# KiCad board oresat-live-card.kicad_pcb
title: OreSat Live Card; date: 2025-09-16; rev: 2.1; company: Portland State Aerospace Society
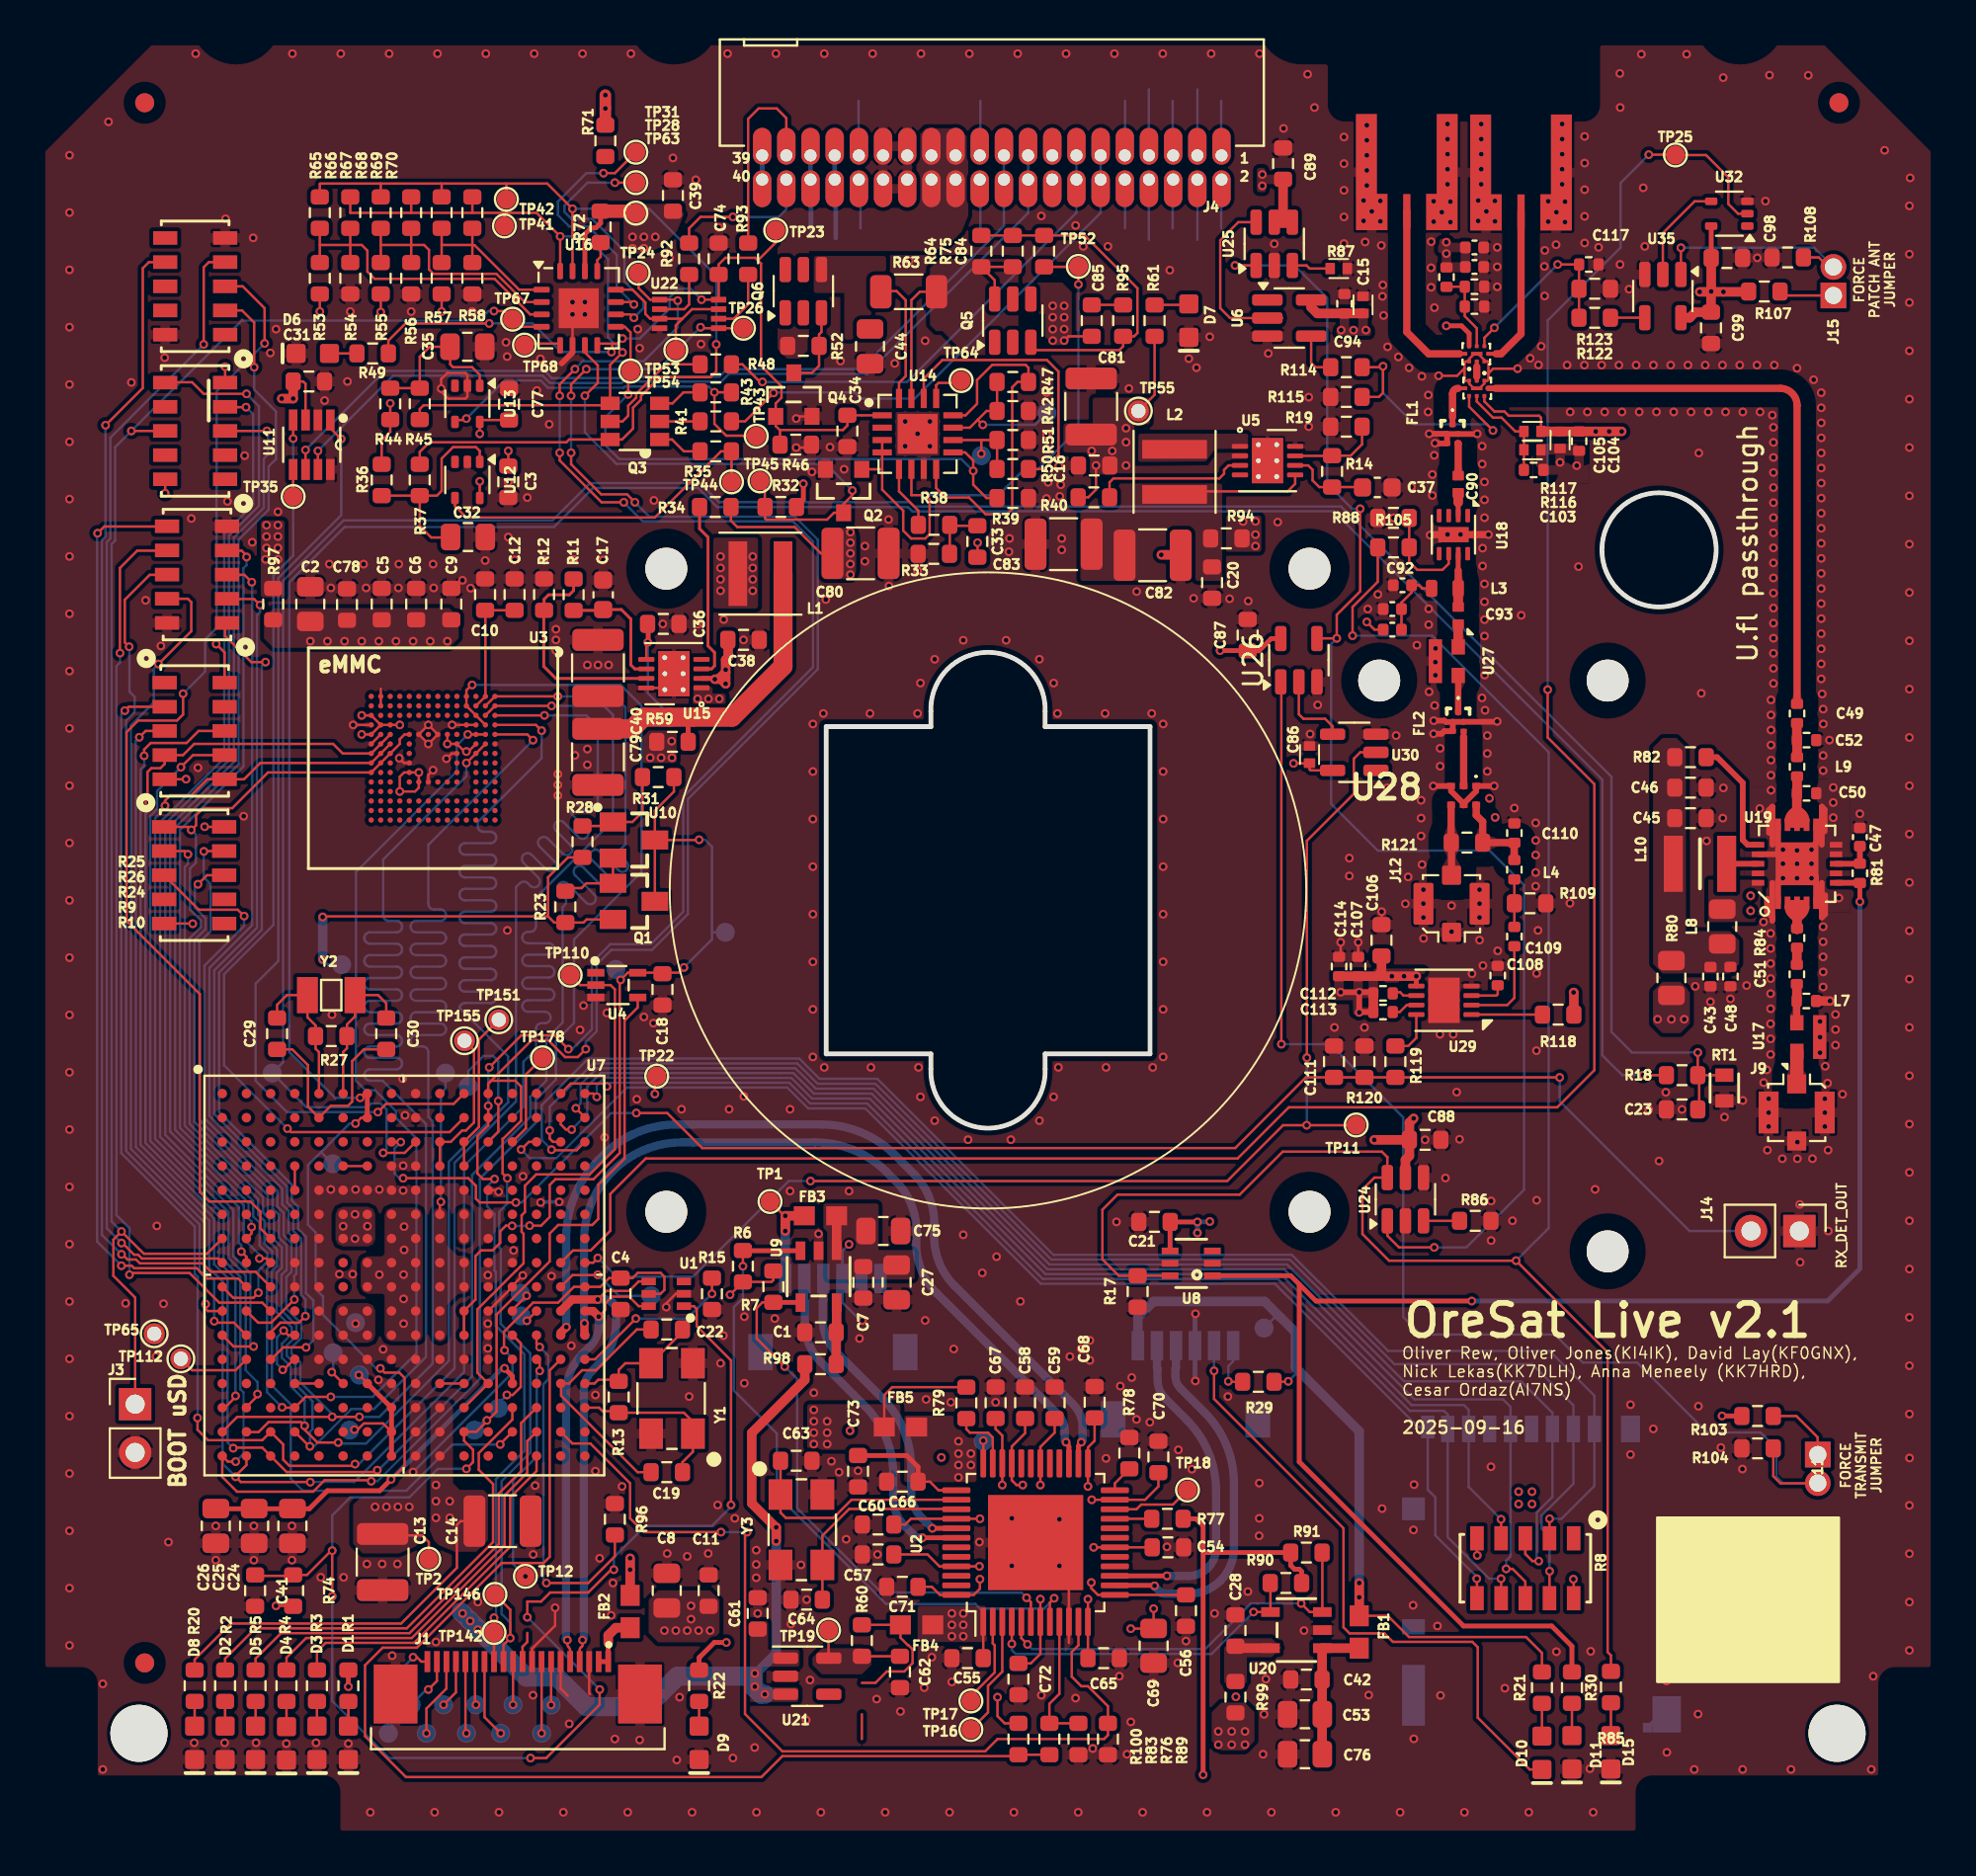
[diagram p0: board, top side]
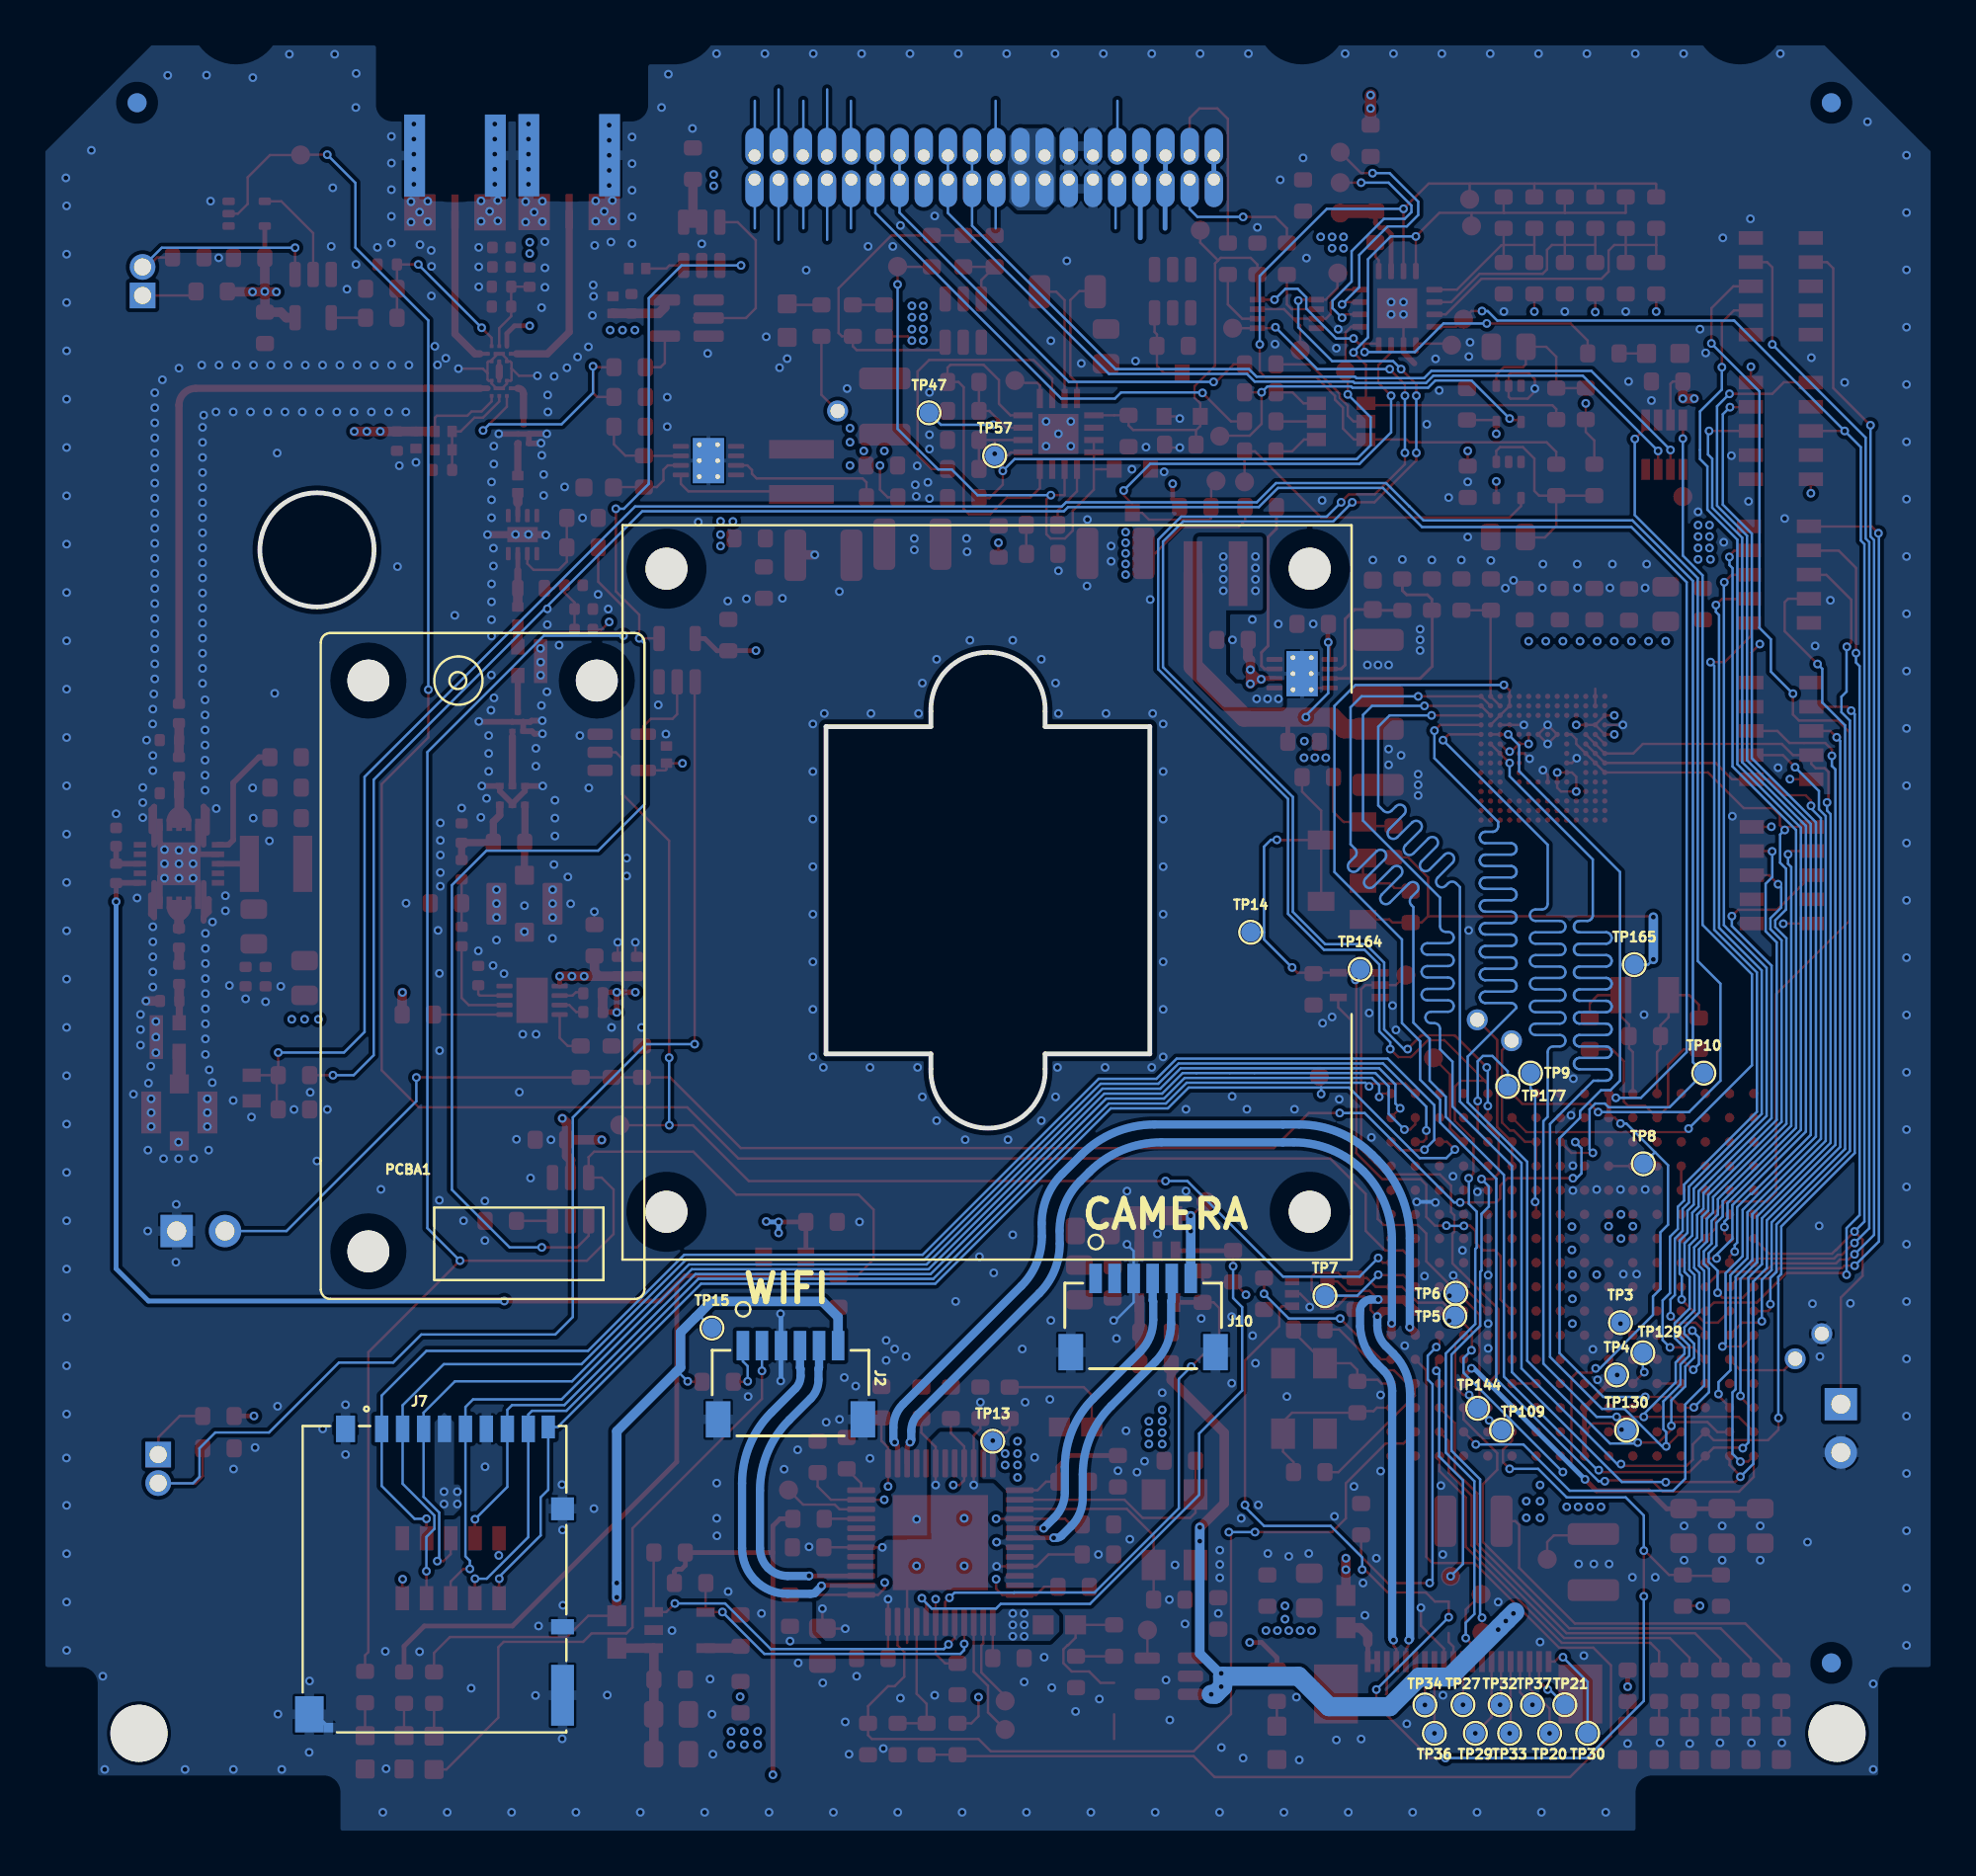
[diagram p1: board, bottom side, seen from below]

Outline 99.8 x 94.6 mm; copper layers: Top, In1.Cu, In2.Cu, Bottom. Coordinates in mm from the lower left corner of the outline.
Outline path: circle c85.15,67.7 r3 ; 41.4,58.41 46.9,58.41 46.9,59.2 arc(49.9,62.31) 52.9,59.2 52.9,58.41 58.41,58.41 58.41,41.21 52.9,41.21 52.9,40.42 arc(49.9,37.31) 46.9,40.42 46.9,41.21 41.4,41.21 41.4,58.41
Stack: Top 0.0432mm / dielectric 0.2021mm FR408-HR er 3.69 / In1.Cu 0.0175mm / dielectric 1.1938mm FR408-HR er 3.69 / In2.Cu 0.0175mm / dielectric 0.2021mm FR408-HR er 3.69 / Bottom 0.0432mm

## Placement (name value [footprint] x y rotation side)
C1  100n  [R_0603_1608Metric]  41.1 26.57 180 top
C2  10u  [R_0805_2012Metric]  14.3 64.85 90 top
C3  100n  [R_0603_1608Metric]  24.7 71.28 270 top
C4  100n  [R_0603_1608Metric]  30.6 28.6 270 top
C5  1u  [R_0603_1608Metric]  18.05 64.85 90 top
C6  1u  [R_0603_1608Metric]  19.86 64.85 90 top
C7  100n  [R_0603_1608Metric]  43.35 29.2 270 top
C8  10u  [R_0805_2012Metric]  33.03 13 90 top
C9  1u  [R_0603_1608Metric]  21.71 64.85 90 top
C10  1u  [R_0603_1608Metric]  23.48 65.35 90 top
C11  100n  [R_0603_1608Metric]  35.22 13 90 top
C12  1u  [R_0603_1608Metric]  25.03 65.35 90 top
C13  22u  [C_1210_3225Metric]  18.1 14.5 270 top
C14  22u  [C_1210_3225Metric]  24.4 16.65 0 top
C15  100n  [0402-C]  69.6 80.57 90 top
C16  100n  [R_0603_1608Metric]  55.47 72.13 180 top
C17  2u2  [C_0603_1608Metric]  29.68 65.34 90 top
C18  100n  [R_0603_1608Metric]  32.8 44.6 270 top
C19  12p  [R_0603_1608Metric]  33.03 19.22 0 top
C20  100n  [R_0603_1608Metric]  61.67 65.98 270 top
C21  100n  [R_0603_1608Metric]  58.64 32.38 180 top
C22  12p  [R_0603_1608Metric]  33.03 26.72 0 top
C23  100n  [R_0603_1608Metric]  86.36 38.29 180 top
C24  1n  [R_0805_2012Metric]  13.36 16.4 270 top
C25  1n  [R_0805_2012Metric]  11.35 16.4 270 top
C26  100n  [R_0805_2012Metric]  9.33 16.4 270 top
C27  10u  [R_0805_2012Metric]  45.1 29.2 270 top
C28  100n  [R_0603_1608Metric]  62.9 10.9 90 top
C29  12p  [R_0603_1608Metric]  12.56 42.27 270 top
C30  12p  [R_0603_1608Metric]  18.29 42.27 270 top
C31  100n  [R_0603_1608Metric]  14.22 76.55 180 top
C32  1u  [R_0805_2012Metric]  22.58 68.37 0 top
C33  1u  [R_0603_1608Metric]  49.34 68.14 270 top
C34  1u  [R_0603_1608Metric]  42.51 73.95 270 top
C35  1u  [R_0805_2012Metric]  22.55 78.37 0 top
C36  100n  [R_0603_1608Metric]  32.84 63.81 0 top
C37  2u2  [C_0603_1608Metric]  70.35 70.98 0 top
C38  100n  [R_0603_1608Metric]  37.06 62.97 0 top
C39  100n  [R_0603_1608Metric]  33.35 86.32 270 top
C40  22u  [C_1210_3225Metric]  29.41 61.49 90 top
C41  100n  [R_0603_1608Metric]  11.4 13 270 top
C42  100n  [R_0603_1608Metric]  66.62 8.32 180 top
C43  100n  [R_0402_1005Metric]  87.85 45.27 270 top
C44  10u  [R_0805_2012Metric]  43.7 78.4 270 top
C45  100n  [R_0603_1608Metric]  86.8 53.6 0 top
C46  100n  [R_0603_1608Metric]  86.8 55.2 0 top
C47  100n  [C_0402_1005Metric]  95.7 52.6 90 top
C48  1n  [R_0402_1005Metric]  88.9 45.27 270 top
C49  100p  [R_0402_1005Metric]  92.4 59.1 90 top
C50  3p  [R_0402_1005Metric]  92.9 54.9 0 top
C51  1.4p  [R_0402_1005Metric]  92.39 45.39 90 top
C52  1.6p  [R_0402_1005Metric]  92.9 57.7 0 top
C53  10u  [R_0805_2012Metric]  66.55 6.5 180 top
C54  100n  [R_0603_1608Metric]  59.35 15.27 0 top
C55  100n  [R_0603_1608Metric]  48.82 9.45 180 top
C56  100n  [R_0603_1608Metric]  60.3 11.95 270 top
C57  100n  [R_0603_1608Metric]  44.12 14.9 180 top
C58  100n  [R_0603_1608Metric]  51.85 22.88 90 top
C59  100n  [R_0603_1608Metric]  53.4 22.88 90 top
C60  100n  [R_0603_1608Metric]  44.12 16.47 180 top
C61  1u  [R_0603_1608Metric]  37.8 11.8 90 top
C62  1u  [R_0603_1608Metric]  45.28 8.72 270 top
C63  12p  [R_0603_1608Metric]  39.82 19.82 0 top
C64  12p  [R_0603_1608Metric]  40.38 12.52 180 top
C65  100n  [R_0603_1608Metric]  55.97 9.45 0 top
C66  100n  [R_0603_1608Metric]  45.4 18.72 180 top
C67  100n  [R_0603_1608Metric]  50.3 22.88 90 top
C68  100n  [R_0603_1608Metric]  55.5 22.9 90 top
C69  10u  [R_0805_2012Metric]  58.6 10.1 270 top
C70  100n  [R_0603_1608Metric]  58.85 20.02 90 top
C71  100n  [R_0603_1608Metric]  45.4 13.2 180 top
C72  100n  [R_0603_1608Metric]  51.5 8.35 270 top
C73  1u  [R_0603_1608Metric]  43.07 19.27 270 top
C74  100n  [R_0603_1608Metric]  35.75 83 90 top
C75  10u  [R_0805_2012Metric]  44.4 31.9 0 top
C76  10u  [R_0805_2012Metric]  66.55 4.4 180 top
C77  100n  [R_0603_1608Metric]  24.74 75.35 90 top
C78  1u  [R_0603_1608Metric]  16.23 64.83 90 top
C79  22u  [C_1210_3225Metric]  29.41 56.82 270 top
C80  22u  [C_1210_3225Metric]  43.2 67.52 0 top
C81  22u  [C_1210_3225Metric]  55.32 75.24 90 top
C82  22u  [C_1210_3225Metric]  58.55 67.41 0 top
C83  22u  [C_1210_3225Metric]  53.87 68 180 top
C84  1u  [R_0603_1608Metric]  51.2 83.4 270 top
C85  1u  [R_0603_1608Metric]  55.35 79.75 90 top
C86  100n  [0402-C]  66.79 56.94 90 top
C87  100n  [R_0603_1608Metric]  63.54 63.22 90 top
C88  100n  [R_0603_1608Metric]  72.86 36.69 0 top
C89  100n  [R_0603_1608Metric]  65.4 88 90 top
C90  15p  [0402-C-NOSILK]  74.6 71.15 270 top
C91  15p  [C_0402_1005Metric]  71.14 64.59 180 top
C92  1u  [C_0402_1005Metric]  71.67 65.84 180 top
C93  15p  [0402-C-NOSILK]  74.6 64.25 270 top
C94  100p  [R_0402_1005Metric]  68.62 80.63 90 top
C98  100n  [R_0603_1608Metric]  88.72 83.04 0 top
C99  100n  [R_0603_1608Metric]  87.88 79.37 270 top
C103  100p  [R_0402_1005Metric]  78.56 71.9 0 top
C104  100p  [R_0402_1005Metric]  80.95 73.41 270 top
C105  100n  [0402-C]  79.95 73.47 270 top
C106  100n  [R_0603_1608Metric]  70.57 47.18 270 top
C107  100p  [R_0402_1005Metric]  69.34 45.8 90 top
C108  1n  [R_0402_1005Metric]  76.67 45.32 90 top
C109  1n  [R_0402_1005Metric]  77.55 47.37 270 top
C110  1p  [R_0402_1005Metric]  77.55 52.81 270 top
C111  100n  [R_0603_1608Metric]  68.07 40.8 90 top
C112  100n  [R_0402_1005Metric]  70.65 44.39 180 top
C113  100n  [R_0402_1005Metric]  70.65 43.41 180 top
C114  100p  [R_0402_1005Metric]  68.34 45.8 90 top
C115  100p  [R_0402_1005Metric]  75.45 80.49 0 top
C116  100p  [C_0402_1005Metric]  75.45 83.59 0 top
C117  100p  [R_0402_1005Metric]  81.46 82.7 0 top
C118  100n  [C_0402_1005Metric]  75.45 82.57 0 top
D1  GREEN  [LED-0603]  16.3 5 270 top
D2  BLUE  [LED-0603]  9.82 5 270 top
D3  BLUE  [LED-0603]  14.65 5 270 top
D4  BLUE  [LED-0603]  13.05 4.97 270 top
D5  BLUE  [LED-0603]  11.42 5 270 top
D6  GREEN  [LED-0603]  14.43 78.02 180 top
D7  GREEN  [LED-0603]  60.45 79.75 270 top
D8  GREEN  [LED-0603]  8.22 5 270 top
D9  GREEN  [LED-0603]  34.72 5 270 top
D10  GREEN  [LED-0603]  79 4.47 270 top
D11  GRN  [LED-0603]  80.57 4.5 270 top
D15  GREEN  [LED-0603]  82.62 4.5 270 top
FB1  BLM18KG300TH1D  [0603]  69.4 10.82 90 top
FB2  BLM18KG300TH1D  [0603]  31.1 11.9 90 top
FB3  BLM18KG300TH1D  [0603]  41.1 32.7 180 top
FB4  MMZ1608Y221BTD25  [0603]  46.15 11.2 180 top
FB5  MMZ1608Y221BTD25  [0603]  45.3 21.6 180 top
FID1  Fiducial  [Fiducial_1mm_Mask2mm]  5.6 91.2 0 top
FID2  Fiducial  [Fiducial_1mm_Mask2mm]  94.6 91.2 0 top
FID3  Fiducial  [Fiducial_1mm_Mask2mm]  5.6 9.2 0 top
FID4  Fiducial  [Fiducial_1mm_Mask2mm]  5.6 91.2 0 bottom
FID5  Fiducial  [Fiducial_1mm_Mask2mm]  94.6 91.2 0 bottom
FID6  Fiducial  [Fiducial_1mm_Mask2mm]  5.6 9.2 0 bottom
FL1  -  [QPQ1907SR]  74.3 73.79 270 top
FL2  -  [QPQ1907SR]  74.6 58.66 270 top
J1  ORESAT-DEBUG-CONNECTOR  [J-TE-2-1734592-0]  25.2 7.57 180 top
J2  SM06B-SRSS-TB  [CONN_SM06B-SRSS-TB_JST]  60.28 23.37 180 bottom
J3  Conn_01x02  [PinHeader_1x02_P2.54mm_Vertical#2]  5.1 22.8 0 top
J4  TFM-120-01-L-D-RA  [J-SAMTEC-TFM-120-X1-XXX-D-RA]  50.1 87.8 0 top
J6  SMPM  [J-MOLEX-SMPM-073300-002X]  71.9 90.6 0 top
J7  -  [DM3BT-DSF-PEJS]  78.55 5.55 180 bottom
J8  SMPM  [J-MOLEX-SMPM-073300-002X]  77.9 90.58 0 top
J9  U.FL  [U.FL_Molex_MCRF_73412-0110_Vertical#2]  92.38 38.13 180 top
J10  SM06B-SRSS-TB  [CONN_SM06B-SRSS-TB_JST]  41.75 26.9 180 bottom
J11  2X1_TH_JUMPER  [2X1]  93.49 19.35 270 top
J12  U.FL  [U.FL_Molex_MCRF_73412-0110_Vertical]  74.25 49.1 180 top
J14  Conn_01x02  [PinHeader_1x02_P2.54mm_Vertical]  92.52 31.9 270 top
J15  2X1_TH_JUMPER  [2X1]  94.31 81.87 90 top
L1  3u3  [L_Coilcraft_XxL4020]  37.95 66.45 0 top
L2  3u3  [L_Coilcraft_XxL4020]  59.7 71.8 270 top
L3  18nH  [0603-C-NOSILK]  73.9 65.67 0 top
L4  1.5n  [R_0402_1005Metric]  77.55 50.89 270 top
L7  1.7n  [R_0402_1005Metric]  92.89 43.99 180 top
L8  6.8n.  [R_0805_2012Metric]  88.47 47.9 270 top
L9  1.0n  [R_0402_1005Metric]  92.4 56.3 90 top
L10  10n  [INDC2928X203N]  87.3 51.2 180 top
NOREF  -  [unnamed]  33 66.71 0 top
PCB1  ORESAT-CARD-V1.3-GENERIC-1RF-POS1  [ORESAT-CARD-V1.3-2RF-LEFT]  49.9 49.8 0 top
PCBA1  WF-NP9202WF  [WF-NP9202]  76.45 45.83 0 bottom
Q1  PMBT2907  [SOT23-BEC]  31.3 49.22 270 top
Q2  PMV45EN2R  [SOT23]  42.32 70.79 180 top
Q3  DMP2240UDM-7  [SOT23-6]  31.35 74.45 90 top
Q4  PMV45EN2R  [SOT23]  39.7 75.86 0 top
Q5  DMP3050LVT-7  [TSOT-23-6]  51.2 79.75 90 top
Q6  DMP3050LVT-7  [TSOT-23-6]  40.2 81.3 90 top
R1  4.7k  [R_0603_1608Metric]  16.3 8 270 top
R2  4.7k  [R_0603_1608Metric]  9.82 8 270 top
R3  4.7k  [R_0603_1608Metric]  14.65 8 270 top
R4  4.7k  [R_0603_1608Metric]  13.05 8 270 top
R5  4.7k  [R_0603_1608Metric]  11.42 8 270 top
R6  10k  [R_0603_1608Metric]  37.03 30.05 270 top
R7  10k  [R_0603_1608Metric]  38.62 28.97 90 top
R8  10K  [ARRAY_EXBA-M]  78.12 14.17 270 top
R9  10k  [ARRAY_EXBA-M]  8.22 58.18 0 top
R10  10k  [ARRAY_EXBA-M]  8.2 50.6 0 top
R11  100k  [R_0603_1608Metric]  28.13 65.34 90 top
R12  100k  [R_0603_1608Metric]  26.58 65.35 90 top
R13  1M  [R_0603_1608Metric]  30.5 23.17 270 top
R14  100k  [R_0603_1608Metric]  67.97 71.82 90 top
R15  10k  [R_0603_1608Metric]  35.4 28.6 90 top
R17  10k  [R_0603_1608Metric]  57.76 28.72 90 top
R18  10k  [R_0603_1608Metric]  86.36 40.09 0 top
R19  100k  [R_0603_1608Metric]  68.72 74.17 180 top
R20  4.7k  [R_0603_1608Metric]  8.22 8 270 top
R21  10k  [R_0603_1608Metric]  79 7.9 270 top
R22  4.7k  [R_0603_1608Metric]  34.72 8 270 top
R23  499  [R_0603_1608Metric]  27.7 48.94 270 top
R24  100k  [ARRAY_EXBA-M]  8.35 66.4 180 top
R25  100k  [ARRAY_EXBA-M]  8.25 81.55 180 top
R26  100k  [ARRAY_EXBA-M]  8.25 73.95 180 top
R27  DNP  [R_0603_1608Metric]  15.4 42.14 0 top
R28  10k  [R_0603_1608Metric]  28.6 52.36 270 top
R29  4.7k  [R_0603_1608Metric]  64.1 23.97 180 top
R30  4.7k  [R_0603_1608Metric]  80.57 7.9 270 top
R31  40.2K  [R_0603_1608Metric]  32.58 55.76 180 top
R32  10k  [R_0603_1608Metric]  39.01 69.95 0 top
R33  100k  [R_0603_1608Metric]  47.05 67.49 0 top
R34  10k  [R_0603_1608Metric]  35.57 69.95 0 top
R35  665k  [R_0603_1608Metric]  35.6 72.88 180 top
R36  1M  [R_0603_1608Metric]  18.05 71.37 90 top
R37  330k  [R_0603_1608Metric]  20.05 71.37 90 top
R38  10k  [R_0603_1608Metric]  47.07 69.01 0 top
R39  10k  [R_0603_1608Metric]  51.2 70.42 180 top
R40  10k  [R_0603_1608Metric]  55.46 70.46 180 top
R41  100  [R_0603_1608Metric]  35.6 74.45 180 top
R42  10k  [R_0603_1608Metric]  51.2 75 180 top  (not fitted)
R43  665k  [R_0603_1608Metric]  35.6 75.98 180 top
R44  1M  [R_0603_1608Metric]  18.5 75.37 270 top
R45  330k  [R_0603_1608Metric]  20.05 75.37 270 top
R46  10k  [R_0603_1608Metric]  39.8 73.23 180 top
R47  0  [R_0603_1608Metric]  51.2 76.52 0 top
R48  100  [R_0603_1608Metric]  35.6 77.45 180 top
R49  4.7k  [R_0603_1608Metric]  17.57 78.02 0 top
R50  0  [R_0603_1608Metric]  51.2 71.95 0 top
R51  4.7k  [R_0603_1608Metric]  51.2 73.47 180 top
R52  10k  [R_0603_1608Metric]  40.2 78.42 180 top
R53  1k  [R_0603_1608Metric]  14.8 81.97 270 top  (not fitted)
R54  1k  [R_0603_1608Metric]  16.4 81.97 90 top
R55  1k  [R_0603_1608Metric]  18 81.97 270 top
R56  1k  [R_0603_1608Metric]  19.6 81.97 90 top  (not fitted)
R57  1k  [R_0603_1608Metric]  21.2 81.97 270 top
R58  1k  [R_0603_1608Metric]  22.81 81.97 90 top  (not fitted)
R59  0  [R_0603_1608Metric]  33.32 57.61 180 top
R60  0  [R_0603_1608Metric]  43.28 10.38 90 top
R61  10k  [R_0603_1608Metric]  58.65 79.75 270 top
R63  100m  [R_1206_3216Metric]  45.73 81.27 0 top
R64  10k  [R_0603_1608Metric]  49.55 83.4 270 top
R65  1k  [R_0603_1608Metric]  14.8 85.42 270 top  (not fitted)
R66  1k  [R_0603_1608Metric]  16.4 85.42 90 top  (not fitted)
R67  1k  [R_0603_1608Metric]  18 85.42 270 top  (not fitted)
R68  1k  [R_0603_1608Metric]  19.6 85.42 90 top  (not fitted)
R69  1k  [R_0603_1608Metric]  21.2 85.42 270 top  (not fitted)
R70  1k  [R_0603_1608Metric]  22.81 85.42 90 top  (not fitted)
R71  100  [R_0603_1608Metric]  29.8 89.2 270 top
R72  10k  [R_0603_1608Metric]  29.55 84.67 90 top
R74  10k  [R_0603_1608Metric]  13.4 13 270 top
R75  10k  [R_0603_1608Metric]  52.85 83.4 90 top
R76  10k  [R_0603_1608Metric]  54.65 5.2 90 top
R77  10k  [R_0603_1608Metric]  59.32 16.77 180 top
R78  9.53k  [R_0603_1608Metric]  57.32 20.22 90 top
R79  10k  [R_0603_1608Metric]  48.76 22.87 90 top
R80  0  [R_0805_2012Metric]  85.8 45.2 270 top
R81  110  [R_0402_1005Metric]  95.7 50.7 90 top
R82  220  [R_0603_1608Metric]  86.8 56.8 180 top
R83  90.9k  [R_0603_1608Metric]  53.12 5.2 90 top
R84  3.3  [R_0402_1005Metric]  92.4 47.3 90 top
R85  4.7k  [R_0603_1608Metric]  82.62 7.93 270 top
R86  499K  [R_0603_1608Metric]  75.5 32.43 0 top
R87  499K  [0402-C]  68.32 82.48 0 top
R88  10k  [R_0603_1608Metric]  71.2 69.38 180 top
R89  10k  [R_0603_1608Metric]  56.2 5.2 90 top
R90  10k  [R_0603_1608Metric]  65.55 13.4 0 top
R91  10k  [R_0603_1608Metric]  66.62 15 180 top
R92  100  [R_0603_1608Metric]  34.2 83 270 top
R93  100  [R_0603_1608Metric]  37.3 83 270 top
R94  0  [R_0603_1608Metric]  62.42 68.3 0 top
R95  1k  [R_0603_1608Metric]  57 79.75 270 top
R96  0  [R_0603_1608Metric]  30.3 16.75 270 top
R97  0  [R_0603_1608Metric]  12.35 64.85 90 top
R98  0  [R_0603_1608Metric]  41.1 24.9 180 top
R99  0  [R_0603_1608Metric]  62.9 7.4 270 top
R100  0  [R_0603_1608Metric]  51.5 5.2 270 top
R103  1k  [R_0603_1608Metric]  90.32 22.18 0 top
R104  10k  [R_0603_1608Metric]  90.32 20.48 180 top
R105  33k  [R_0603_1608Metric]  71.2 67.83 0 top
R106  0  [C_0402_1005Metric]  71.14 63.51 180 top
R107  1k  [R_0603_1608Metric]  90.68 81.28 0 top
R108  10k  [R_0603_1608Metric]  91.91 83.07 180 top
R109  56  [R_0603_1608Metric]  78.38 49.12 0 top
R114  10k  [R_0603_1608Metric]  68.72 77.3 180 top
R115  5.62k  [R_0603_1608Metric]  68.72 75.74 180 top
R116  5.62k  [0402-C]  78.5 72.96 0 top
R117  10k  [0402-C]  78.5 73.92 180 top
R118  4.99k  [R_0603_1608Metric]  79.85 43.27 180 top
R119  4.99k  [R_0603_1608Metric]  71.3 40.8 270 top
R120  4.99k  [R_0603_1608Metric]  69.67 40.8 270 top
R121  100  [R_0603_1608Metric]  75.06 52.31 0 top
R122  10k  [R_0603_1608Metric]  81.77 79.9 180 top
R123  5.62k  [R_0603_1608Metric]  81.77 81.42 180 top
R124  5.62k  [R_0402_1005Metric]  75.45 81.53 180 top
R125  10k  [R_0402_1005Metric]  73.98 82.03 90 top
REF**  -  [MountingHole_2.2mm_M2]  66.79 32.91 0 top
REF**#2  -  [MountingHole_2.2mm_M2]  66.79 66.71 0 top
REF**#3  -  [MountingHole_2.2mm_M2]  33 32.91 0 top
RT1  TDK NTCG163JX103DT1S  [0603-THERMISTOR-B]  88.58 39.41 270 top
TP1  TEST-POINT  [TestPoint_Pad_D1.0mm]  38.45 33.45 0 top
TP2  TEST-POINT3X4  [TestPoint_Pad_D1.0mm]  20.52 14.65 0 top
TP3  TEST-POINT3X4  [TestPoint_Pad_D1.0mm]  16.68 27.08 180 bottom
TP4  TEST-POINT3X4  [TestPoint_Pad_D1.0mm]  16.88 24.33 180 bottom
TP5  TEST-POINT3X4  [TestPoint_Pad_D1.0mm]  25.38 27.43 180 bottom
TP6  TEST-POINT3X4  [TestPoint_Pad_D1.0mm]  25.33 28.63 180 bottom
TP7  TEST-POINT3X4  [TestPoint_Pad_D1.0mm]  32.2 28.5 180 bottom
TP8  TEST-POINT  [TestPoint_Pad_D1.0mm]  15.48 35.43 180 bottom
TP9  TEST-POINT3X4  [TestPoint_Pad_D1.0mm]  21.4 40.2 180 bottom
TP10  TEST-POINT  [TestPoint_Pad_D1.0mm]  12.3 40.2 180 bottom
TP11  TEST-POINT3X4  [TestPoint_Pad_D1.0mm]  69.24 37.47 0 top
TP12  TEST-POINT3X4  [TestPoint_Pad_D1.0mm]  25.6 13.75 0 top
TP13  TEST-POINT3X4  [TestPoint_Pad_D1.0mm]  49.65 20.85 180 bottom
TP14  TEST-POINT3X4  [TestPoint_Pad_D1.0mm]  36.1 47.6 180 bottom
TP15  TEST-POINT  [TestPoint_Pad_D1.0mm]  64.4 26.8 180 bottom
TP16  TEST-POINT3X4  [TestPoint_Pad_D1.0mm]  49 5.7 90 top
TP17  TEST-POINT3X4  [TestPoint_Pad_D1.0mm]  49 7.2 90 top
TP18  TEST-POINT3X4  [TestPoint_Pad_D1.0mm]  60.38 18.29 0 top
TP19  TEST-POINT  [TestPoint_Pad_D1.0mm]  41.53 10.92 90 top
TP20  TEST-POINT  [TestPoint_Pad_D1.0mm]  20.4 5.5 180 bottom
TP21  TEST-POINT  [TestPoint_Pad_D1.0mm]  19.6 7 180 bottom
TP22  TEST-POINT3X4  [TestPoint_Pad_D1.0mm]  32.5 40.04 0 top
TP23  TEST-POINT  [TestPoint_Pad_D1.0mm]  38.75 84.5 0 top
TP24  TEST-POINT  [TestPoint_Pad_D1.0mm]  31.53 82.25 0 top
TP25  TEST-POINT3X4  [TestPoint_Pad_D1.0mm]  86.01 88.45 270 top
TP26  TEST-POINT  [TestPoint_Pad_D1.0mm]  37.05 79.35 0 top
TP27  TEST-POINT  [TestPoint_Pad_D1.0mm]  24.95 7 180 bottom
TP28  TEST-POINT  [TestPoint_Pad_D1.0mm]  31.4 87 0 top
TP29  TEST-POINT  [TestPoint_Pad_D1.0mm]  24.3 5.5 180 bottom
TP30  TEST-POINT  [TestPoint_Pad_D1.0mm]  18.4 5.5 180 bottom
TP31  TEST-POINT  [TestPoint_Pad_D1.0mm]  31.4 88.6 0 top
TP32  TEST-POINT  [TestPoint_Pad_D1.0mm]  23 7 180 bottom
TP33  TEST-POINT  [TestPoint_Pad_D1.0mm]  22.5 5.5 180 bottom
TP34  TEST-POINT  [TestPoint_Pad_D1.0mm]  26.95 6.99 180 bottom
TP35  TEST-POINT3X4  [TestPoint_Pad_D1.0mm]  13.4 70.5 0 top
TP36  TEST-POINT  [TestPoint_Pad_D1.0mm]  26.45 5.5 180 bottom
TP37  TEST-POINT  [TestPoint_Pad_D1.0mm]  21.3 7 180 bottom
TP41  TEST-POINT  [TestPoint_Pad_D1.0mm]  24.5 84.72 0 top
TP42  TEST-POINT  [TestPoint_Pad_D1.0mm]  24.6 86.12 0 top
TP43  TEST-POINT  [TestPoint_Pad_D1.0mm]  37.72 73.67 0 top
TP44  TEST-POINT  [TestPoint_Pad_D1.0mm]  36.42 71.28 0 top
TP45  TEST-POINT  [TestPoint_Pad_D1.0mm]  37.92 71.33 0 top
TP47  TEST-POINT  [TestPoint_Pad_D1.0mm]  53 74.9 180 bottom
TP52  TEST-POINT  [TestPoint_Pad_D1.0mm]  54.65 82.6 0 top
TP53  TEST-POINT  [TestPoint_Pad_D1.0mm]  33.5 78.2 0 top
TP54  TEST-POINT  [TestPoint_Pad_D1.0mm]  31.12 77.1 0 top
TP55  TEST-POINT  [TestPoint-0.75mm-th]  57.8 75 0 top
TP57  TEST-POINT  [TestPoint_Pad_D1.0mm]  49.55 72.65 180 bottom
TP63  TEST-POINT  [TestPoint_Pad_D1.0mm]  31.4 85.4 90 top
TP64  TEST-POINT  [TestPoint_Pad_D1.0mm]  48.49 76.6 0 top
TP65  TEST-POINT  [TestPoint-0.75mm-th]  6.1 26.5 0 top
TP67  TEST-POINT  [TestPoint_Pad_D1.0mm]  24.92 79.82 0 top
TP68  TEST-POINT  [TestPoint_Pad_D1.0mm]  25.55 78.46 0 top
TP109  TEST-POINT3X4  [TestPoint_Pad_D1.0mm]  22.93 21.43 180 bottom
TP110  TEST-POINT3X4  [TestPoint_Pad_D1.0mm]  27.95 45.35 0 top
TP112  TEST-POINT  [TestPoint-0.75mm-th]  7.5 25.18 0 top
TP129  TEST-POINT3X4  [TestPoint_Pad_D1.0mm]  15.5 25.5 180 bottom
TP130  TEST-POINT3X4  [TestPoint_Pad_D1.0mm]  16.36 21.43 180 bottom
TP142  TEST-POINT3X4  [TestPoint_Pad_D1.0mm]  23.95 10.8 0 top